# Altium PCB PCB1.PcbDoc (part 2 of 5)
Units mil, origin at the board's own origin, x right, y up, seen from the top; angles counter-clockwise.
Board outline 6250.19 x 5128.14 mil, 2 copper layers (Top Layer, Bottom Layer); 140 components, 0 nets, 729 pads, 141 vias.
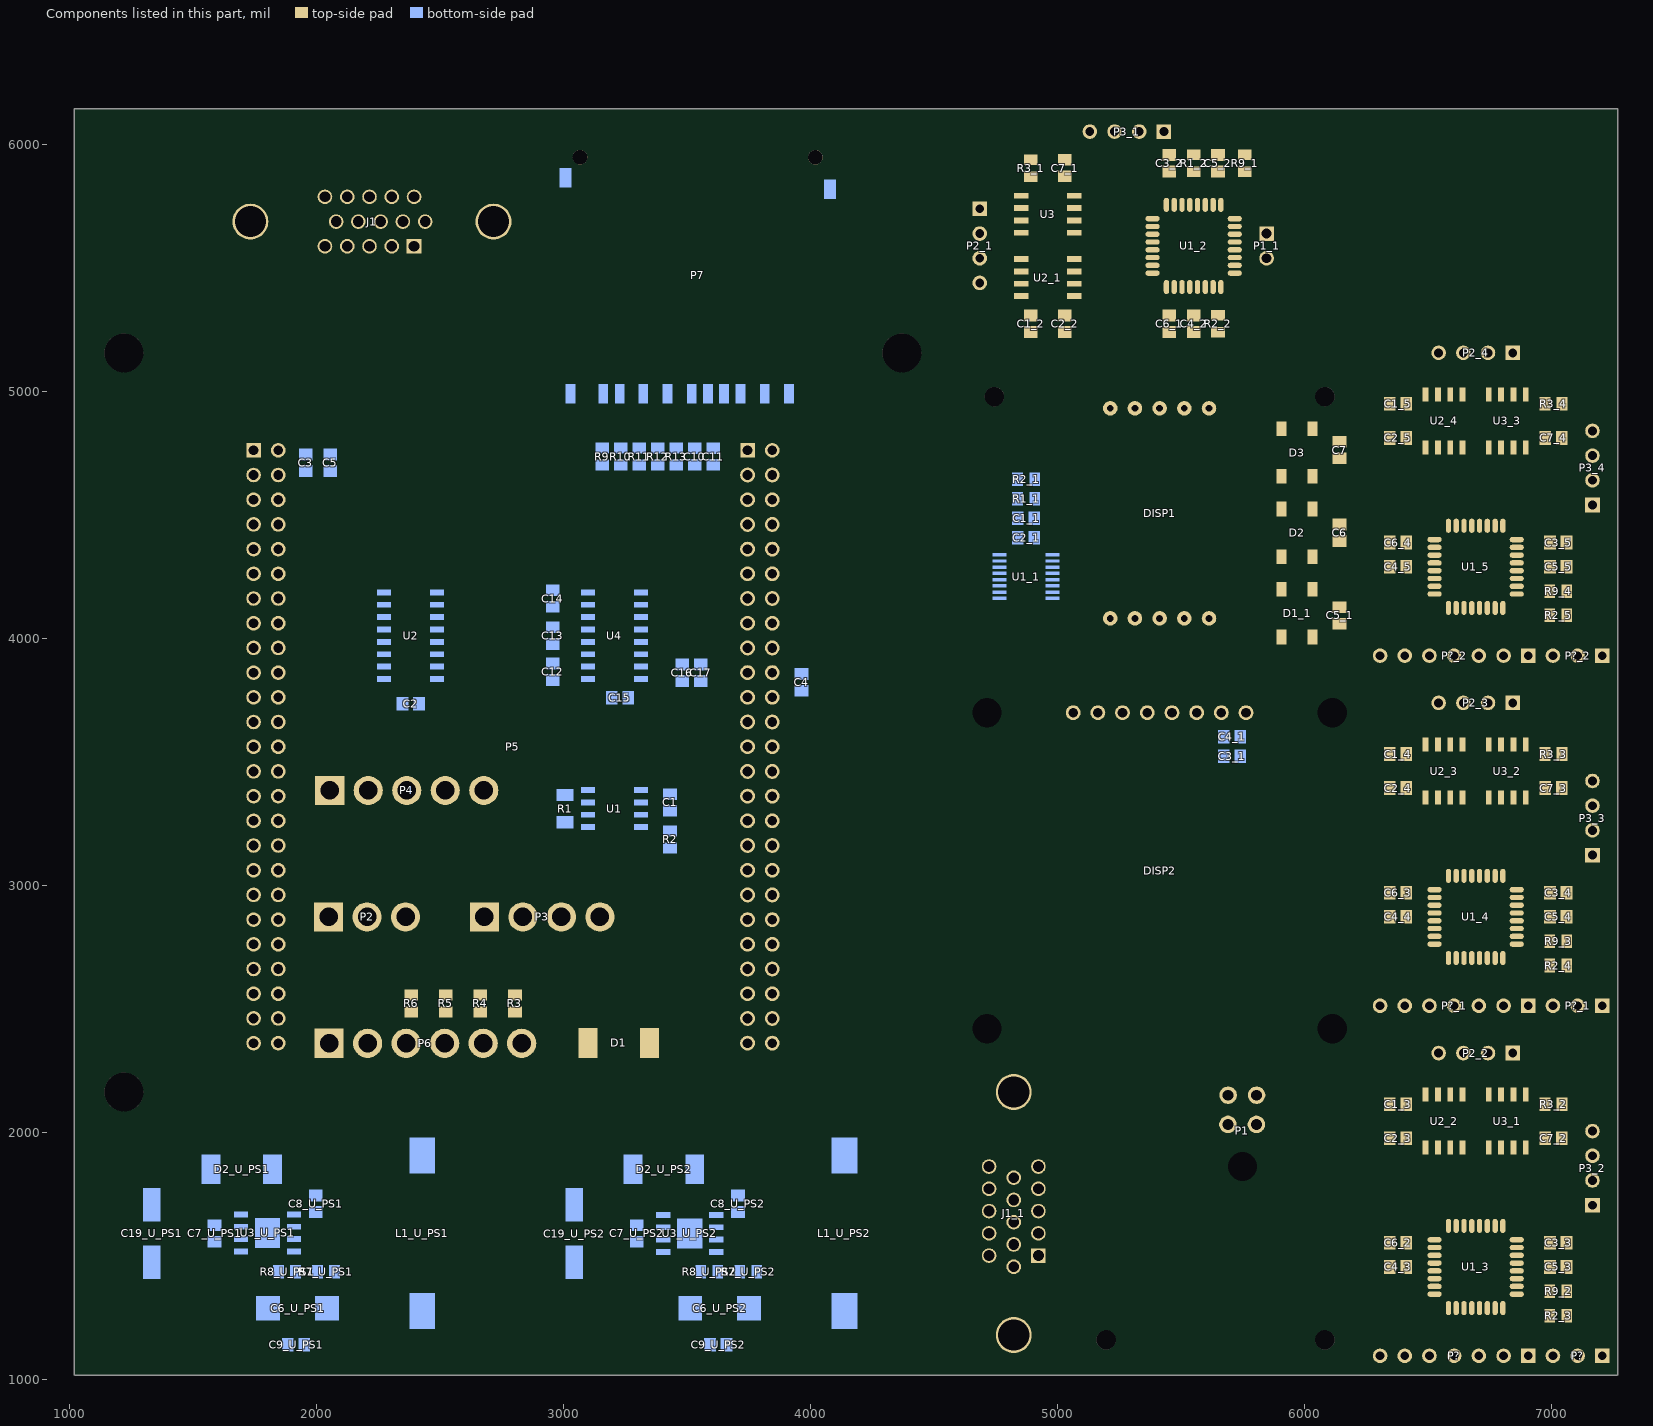
[diagram p2: the components of this part, seen from the top]

## Via types
v1: diameter 35.43/35.43 (per signal layer), hole 11.81, Top Layer to Bottom Layer, tented both sides, 115 vias
v2: diameter 47.24/47.24 (per signal layer), hole 19.68, Top Layer to Bottom Layer, tented both sides, 14 vias
v3: diameter 35.43, hole 11.81, Top Layer to Bottom Layer, tented both sides, 12 vias

## Nets (pads, with @x,y where several pads share a name; then routed paths per layer and width w, separated by ;. In a path a pad name is that pad's centre, name@x,y a point inside that pad or via, vN(x,y) a via of type N, cw(c..) or ccw(c..) an arc to the next point about the centre after c; other vN are vias at no path point) (continued)
copper on no net: (continued)
  Bottom Layer w1: 1169.35,3007.6 1169.35,3628.6 ; 1170.35,3007.6 1170.35,3628.6 ; 1171.35,3007.6 1171.35,3628.6 ; 1172.35,3007.6 1172.35,3628.6 ; 1173.35,3007.6 1173.35,3628.6 ; 1174.35,3007.6 1174.35,3628.6 ; 1175.35,3007.6 1175.35,3628.6 ; 1176.35,3007.6 1176.35,3628.6 ; 1177.35,3007.6 1177.35,3628.6 ; 1178.35,3007.6 1178.35,3628.6 ; 1179.35,3007.6 1179.35,3628.6 ; 1180.35,3007.6 1180.35,3628.6 ; 1181.35,3007.6 1181.35,3628.6 ; 1182.35,3007.6 1182.35,3628.6 ; 1183.35,3007.6 1183.35,3628.6 ; 1184.35,3007.6 1184.35,3628.6 ; 1185.35,3007.6 1185.35,3628.6 ; 1186.35,3007.6 1186.35,3628.6 ; 1187.35,3007.6 1187.35,3628.6 ; 1188.35,3007.6 1188.35,3628.6 ; 1189.35,3007.6 1189.35,3628.6 ; 1190.35,3007.6 1190.35,3628.6 ; 1191.35,3007.6 1191.35,3628.6 ; 1192.35,3007.6 1192.35,3628.6 ; 1193.35,3007.6 1193.35,3628.6 ; 1194.35,3007.6 1194.35,3628.6 ; 1195.35,3007.6 1195.35,3628.6 ; 1196.35,3007.6 1196.35,3628.6 ; 1197.35,3007.6 1197.35,3628.6 ; 1198.35,3007.6 1198.35,3628.6 ; 1199.35,3007.6 1199.35,3628.6 ; 1200.35,3007.6 1200.35,3628.6 ; 1201.35,3007.6 1201.35,3628.6 ; 1202.35,3007.6 1202.35,3628.6 ; 1203.35,3007.6 1203.35,3628.6 ; 1204.35,3007.6 1204.35,3628.6 ; 1205.35,3007.6 1205.35,3628.6 ; 1206.35,3007.6 1206.35,3628.6 ; 1207.35,3007.6 1207.35,3507.6 ; 1207.35,3516.6 1207.35,3628.6 ; 1208.35,3007.6 1208.35,3504.6 ; 1208.35,3517.6 1208.35,3628.6 ; 1209.35,3007.6 1209.35,3501.6 ; 1209.35,3518.6 1209.35,3628.6 ; 1210.35,3007.6 1210.35,3499.6 ; 1210.35,3518.6 1210.35,3628.6 ; 1211.35,3007.6 1211.35,3497.6 ; 1211.35,3519.6 1211.35,3628.6 ; 1212.35,3007.6 1212.35,3041.6 ; 1212.35,3044.6 1212.35,3063.6 ; 1212.35,3090.6 1212.35,3137.6 ; 1212.35,3139.6 1212.35,3157.6 ; 1212.35,3187.6 1212.35,3197.6 ; 1212.35,3199.6 1212.35,3209.6 ; 1212.35,3211.6 1212.35,3252.6 ; 1212.35,3267.6 1212.35,3272.6 ; 1212.35,3301.6 1212.35,3496.6 ; 1212.35,3519.6 1212.35,3628.6 ; 1213.35,3007.6 1213.35,3040.6 ; 1213.35,3045.6 1213.35,3060.6 ; 1213.35,3093.6 1213.35,3135.6 ; 1213.35,3141.6 1213.35,3154.6 ; 1213.35,3189.6 1213.35,3195.6 ; 1213.35,3201.6 1213.35,3207.6 ; 1213.35,3213.6 1213.35,3249.6 ; 1213.35,3267.6 1213.35,3270.6 ; 1213.35,3304.6 1213.35,3494.6 ; 1213.35,3510.6 1213.35,3512.6 ; 1213.35,3519.6 1213.35,3628.6 ; 1214.35,3007.6 1214.35,3039.6 ; 1214.35,3046.6 1214.35,3058.6 ; 1214.35,3095.6 1214.35,3134.6 ; 1214.35,3141.6 1214.35,3152.6 ; 1214.35,3190.6 1214.35,3194.6 ; 1214.35,3202.6 1214.35,3206.6 ; 1214.35,3214.6 1214.35,3247.6 ; 1214.35,3267.6 1214.35,3269.6 ; 1214.35,3306.6 1214.35,3493.6 ; 1214.35,3508.6 1214.35,3513.6 ; 1214.35,3519.6 1214.35,3628.6 ; 1215.35,3007.6 1215.35,3039.6 ; 1215.35,3047.6 1215.35,3057.6 ; 1215.35,3096.6 1215.35,3134.6 ; 1215.35,3141.6 1215.35,3150.6 ; 1215.35,3190.6 1215.35,3194.6 ; 1215.35,3202.6 1215.35,3206.6 ; 1215.35,3214.6 1215.35,3246.6 ; 1215.35,3267.6 1215.35,3269.6 ; 1215.35,3307.6 1215.35,3492.6 ; 1215.35,3506.6 1215.35,3513.6 ; 1215.35,3519.6 1215.35,3628.6 ; 1216.35,3007.6 1216.35,3039.6 ; 1216.35,3047.6 1216.35,3056.6 ; 1216.35,3098.6 1216.35,3134.6 ; 1216.35,3141.6 1216.35,3149.6 ; 1216.35,3190.6 1216.35,3194.6 ; 1216.35,3202.6 1216.35,3206.6 ; 1216.35,3214.6 1216.35,3245.6 ; 1216.35,3267.6 1216.35,3269.6 ; 1216.35,3308.6 1216.35,3490.6 ; 1216.35,3505.6 1216.35,3514.6 ; 1216.35,3519.6 1216.35,3628.6 ; 1217.35,3007.6 1217.35,3039.6 ; 1217.35,3047.6 1217.35,3055.6 ; 1217.35,3099.6 1217.35,3134.6 ; 1217.35,3141.6 1217.35,3148.6 ; 1217.35,3190.6 1217.35,3194.6 ; 1217.35,3202.6 1217.35,3206.6 ; 1217.35,3214.6 1217.35,3244.6 ; 1217.35,3267.6 1217.35,3270.6 ; 1217.35,3309.6 1217.35,3489.6 ; 1217.35,3503.6 1217.35,3514.6 ; 1217.35,3519.6 1217.35,3628.6 ; 1218.35,3007.6 1218.35,3039.6 ; 1218.35,3047.6 1218.35,3054.6 ; 1218.35,3100.6 1218.35,3134.6 ; 1218.35,3141.6 1218.35,3148.6 ; 1218.35,3189.6 1218.35,3194.6 ; 1218.35,3202.6 1218.35,3206.6 ; 1218.35,3214.6 1218.35,3243.6 ; 1218.35,3267.6 1218.35,3270.6 ; 1218.35,3310.6 1218.35,3487.6 ; 1218.35,3502.6 1218.35,3513.6 ; 1218.35,3518.6 1218.35,3628.6 ; 1219.35,3007.6 1219.35,3039.6 ; 1219.35,3047.6 1219.35,3053.6 ; 1219.35,3065.6 1219.35,3088.6 ; 1219.35,3101.6 1219.35,3134.6 ; 1219.35,3141.6 1219.35,3147.6 ; 1219.35,3161.6 1219.35,3194.6 ; 1219.35,3202.6 1219.35,3206.6 ; 1219.35,3214.6 1219.35,3242.6 ; 1219.35,3255.6 1219.35,3260.6 ; 1219.35,3267.6 1219.35,3297.6 ; 1219.35,3311.6 1219.35,3485.6 ; 1219.35,3500.6 1219.35,3513.6 ; 1219.35,3518.6 1219.35,3628.6 ; 1220.35,3007.6 1220.35,3039.6 ; 1220.35,3047.6 1220.35,3053.6 ; 1220.35,3062.6 1220.35,3091.6 ; 1220.35,3101.6 1220.35,3134.6 ; 1220.35,3141.6 1220.35,3147.6 ; 1220.35,3156.6 1220.35,3194.6 ; 1220.35,3202.6 1220.35,3206.6 ; 1220.35,3214.6 1220.35,3241.6 ; 1220.35,3252.6 1220.35,3260.6 ; 1220.35,3267.6 1220.35,3302.6 ; 1220.35,3311.6 1220.35,3483.6 ; 1220.35,3499.6 1220.35,3513.6 ; 1220.35,3517.6 1220.35,3628.6 ; 1221.35,3007.6 1221.35,3039.6 ; 1221.35,3047.6 1221.35,3053.6 ; 1221.35,3061.6 1221.35,3092.6 ; 1221.35,3102.6 1221.35,3134.6 ; 1221.35,3141.6 1221.35,3146.6 ; 1221.35,3155.6 1221.35,3194.6 ; 1221.35,3202.6 1221.35,3206.6 ; 1221.35,3214.6 1221.35,3240.6 ; 1221.35,3250.6 1221.35,3259.6 ; 1221.35,3267.6 1221.35,3303.6 ; 1221.35,3311.6 1221.35,3480.6 ; 1221.35,3498.6 1221.35,3513.6 ; 1221.35,3517.6 1221.35,3628.6 ; 1222.35,3007.6 1222.35,3039.6 ; 1222.35,3047.6 1222.35,3052.6 ; 1222.35,3060.6 1222.35,3093.6 ; 1222.35,3103.6 1222.35,3134.6 ; 1222.35,3141.6 1222.35,3146.6 ; 1222.35,3154.6 1222.35,3194.6 ; 1222.35,3202.6 1222.35,3206.6 ; 1222.35,3214.6 1222.35,3239.6 ; 1222.35,3249.6 1222.35,3259.6 ; 1222.35,3267.6 1222.35,3303.6 ; 1222.35,3312.6 1222.35,3477.6 ; 1222.35,3500.6 1222.35,3513.6 ; 1222.35,3516.6 1222.35,3628.6 ; 1223.35,3007.6 1223.35,3039.6 ; 1223.35,3047.6 1223.35,3052.6 ; 1223.35,3060.6 1223.35,3094.6 ; 1223.35,3104.6 1223.35,3134.6 ; 1223.35,3141.6 1223.35,3146.6 ; 1223.35,3154.6 1223.35,3194.6 ; 1223.35,3202.6 1223.35,3206.6 ; 1223.35,3214.6 1223.35,3239.6 ; 1223.35,3248.6 1223.35,3259.6 ; 1223.35,3267.6 1223.35,3304.6 ; 1223.35,3312.6 1223.35,3474.6 ; 1223.35,3503.6 1223.35,3513.6 ; 1223.35,3515.6 1223.35,3628.6 ; 1224.35,3007.6 1224.35,3039.6 ; 1224.35,3047.6 1224.35,3052.6 ; 1224.35,3060.6 1224.35,3095.6 ; 1224.35,3104.6 1224.35,3134.6 ; 1224.35,3141.6 1224.35,3146.6 ; 1224.35,3154.6 1224.35,3194.6 ; 1224.35,3202.6 1224.35,3206.6 ; 1224.35,3214.6 1224.35,3238.6 ; 1224.35,3247.6 1224.35,3259.6 ; 1224.35,3267.6 1224.35,3304.6 ; 1224.35,3312.6 1224.35,3471.6 ; 1224.35,3505.6 1224.35,3628.6 ; 1225.35,3007.6 1225.35,3039.6 ; 1225.35,3047.6 1225.35,3052.6 ; 1225.35,3060.6 1225.35,3096.6 ; 1225.35,3105.6 1225.35,3134.6 ; 1225.35,3141.6 1225.35,3146.6 ; 1225.35,3154.6 1225.35,3194.6 ; 1225.35,3202.6 1225.35,3206.6 ; 1225.35,3214.6 1225.35,3237.6 ; 1225.35,3246.6 1225.35,3259.6 ; 1225.35,3267.6 1225.35,3304.6 ; 1225.35,3312.6 1225.35,3469.6 ; 1225.35,3507.6 1225.35,3628.6 ; 1226.35,3007.6 1226.35,3039.6 ; 1226.35,3047.6 1226.35,3052.6 ; 1226.35,3060.6 1226.35,3096.6 ; 1226.35,3106.6 1226.35,3134.6 ; 1226.35,3141.6 1226.35,3146.6 ; 1226.35,3154.6 1226.35,3194.6 ; 1226.35,3202.6 1226.35,3206.6 ; 1226.35,3214.6 1226.35,3236.6 ; 1226.35,3246.6 1226.35,3259.6 ; 1226.35,3267.6 1226.35,3304.6 ; 1226.35,3312.6 1226.35,3468.6 ; 1226.35,3508.6 1226.35,3628.6 ; 1227.35,3007.6 1227.35,3039.6 ; 1227.35,3047.6 1227.35,3052.6 ; 1227.35,3061.6 1227.35,3097.6 ; 1227.35,3106.6 1227.35,3134.6 ; 1227.35,3141.6 1227.35,3146.6 ; 1227.35,3154.6 1227.35,3194.6 ; 1227.35,3202.6 1227.35,3206.6 ; 1227.35,3214.6 1227.35,3236.6 ; 1227.35,3245.6 1227.35,3259.6 ; 1227.35,3267.6 1227.35,3304.6 ; 1227.35,3312.6 1227.35,3467.6 ; 1227.35,3509.6 1227.35,3628.6 ; 1228.35,3007.6 1228.35,3039.6 ; 1228.35,3047.6 1228.35,3053.6 ; 1228.35,3063.6 1228.35,3098.6 ; 1228.35,3107.6 1228.35,3134.6 ; 1228.35,3141.6 1228.35,3146.6 ; 1228.35,3154.6 1228.35,3194.6 ; 1228.35,3202.6 1228.35,3206.6 ; 1228.35,3214.6 1228.35,3235.6 ; 1228.35,3244.6 1228.35,3259.6 ; 1228.35,3267.6 1228.35,3304.6 ; 1228.35,3312.6 1228.35,3467.6 ; 1228.35,3510.6 1228.35,3628.6 ; 1229.35,3007.6 1229.35,3039.6 ; 1229.35,3047.6 1229.35,3053.6 ; 1229.35,3076.6 1229.35,3098.6 ; 1229.35,3107.6 1229.35,3134.6 ; 1229.35,3141.6 1229.35,3146.6 ; 1229.35,3154.6 1229.35,3194.6 ; 1229.35,3202.6 1229.35,3206.6 ; 1229.35,3214.6 1229.35,3234.6 ; 1229.35,3244.6 1229.35,3259.6 ; 1229.35,3267.6 1229.35,3281.6 ; 1229.35,3312.6 1229.35,3466.6 ; 1229.35,3511.6 1229.35,3628.6 ; 1230.35,3007.6 1230.35,3039.6 ; 1230.35,3047.6 1230.35,3053.6 ; 1230.35,3080.6 1230.35,3099.6 ; 1230.35,3108.6 1230.35,3134.6 ; 1230.35,3141.6 1230.35,3146.6 ; 1230.35,3154.6 1230.35,3194.6 ; 1230.35,3202.6 1230.35,3206.6 ; 1230.35,3214.6 1230.35,3234.6 ; 1230.35,3243.6 1230.35,3259.6 ; 1230.35,3267.6 1230.35,3279.6 ; 1230.35,3312.6 1230.35,3346.6 ; 1230.35,3348.6 1230.35,3465.6 ; 1230.35,3512.6 1230.35,3628.6 ; 1231.35,3007.6 1231.35,3039.6 ; 1231.35,3047.6 1231.35,3054.6 ; 1231.35,3082.6 1231.35,3100.6 ; 1231.35,3109.6 1231.35,3134.6 ; 1231.35,3141.6 1231.35,3146.6 ; 1231.35,3154.6 1231.35,3194.6 ; 1231.35,3202.6 1231.35,3206.6 ; 1231.35,3214.6 1231.35,3233.6 ; 1231.35,3242.6 1231.35,3259.6 ; 1231.35,3267.6 1231.35,3279.6 ; 1231.35,3312.6 1231.35,3346.6 ; 1231.35,3349.6 1231.35,3465.6 ; 1231.35,3512.6 1231.35,3628.6 ; 1232.35,3007.6 1232.35,3039.6 ; 1232.35,3046.6 1232.35,3055.6 ; 1232.35,3084.6 1232.35,3100.6 ; 1232.35,3109.6 1232.35,3134.6 ; 1232.35,3141.6 1232.35,3146.6 ; 1232.35,3154.6 1232.35,3194.6 ; 1232.35,3202.6 1232.35,3206.6 ; 1232.35,3214.6 1232.35,3232.6 ; 1232.35,3242.6 1232.35,3259.6 ; 1232.35,3267.6 1232.35,3279.6 ; 1232.35,3312.6 1232.35,3346.6 ; 1232.35,3350.6 1232.35,3464.6 ; 1232.35,3513.6 1232.35,3628.6 ; 1233.35,3007.6 1233.35,3039.6 ; 1233.35,3046.6 1233.35,3056.6 ; 1233.35,3085.6 1233.35,3101.6 ; 1233.35,3110.6 1233.35,3134.6 ; 1233.35,3141.6 1233.35,3146.6 ; 1233.35,3154.6 1233.35,3194.6 ; 1233.35,3202.6 1233.35,3206.6 ; 1233.35,3214.6 1233.35,3232.6 ; 1233.35,3241.6 1233.35,3259.6 ; 1233.35,3267.6 1233.35,3279.6 ; 1233.35,3312.6 1233.35,3337.6 ; 1233.35,3339.6 1233.35,3346.6 ; 1233.35,3351.6 1233.35,3463.6 ; 1233.35,3513.6 1233.35,3628.6 ; 1234.35,3007.6 1234.35,3039.6 ; 1234.35,3046.6 1234.35,3058.6 ; 1234.35,3086.6 1234.35,3101.6 ; 1234.35,3110.6 1234.35,3134.6 ; 1234.35,3141.6 1234.35,3146.6 ; 1234.35,3154.6 1234.35,3194.6 ; 1234.35,3202.6 1234.35,3206.6 ; 1234.35,3214.6 1234.35,3231.6 ; 1234.35,3240.6 1234.35,3259.6 ; 1234.35,3267.6 1234.35,3279.6 ; 1234.35,3312.6 1234.35,3337.6 ; 1234.35,3341.6 1234.35,3346.6 ; 1234.35,3351.6 1234.35,3463.6 ; 1234.35,3493.6 1234.35,3506.6 ; 1234.35,3514.6 1234.35,3628.6 ; 1235.35,3007.6 1235.35,3039.6 ; 1235.35,3046.6 1235.35,3061.6 ; 1235.35,3086.6 1235.35,3102.6 ; 1235.35,3111.6 1235.35,3134.6 ; 1235.35,3141.6 1235.35,3146.6 ; 1235.35,3154.6 1235.35,3194.6 ; 1235.35,3202.6 1235.35,3206.6 ; 1235.35,3214.6 1235.35,3231.6 ; 1235.35,3240.6 1235.35,3259.6 ; 1235.35,3267.6 1235.35,3280.6 ; 1235.35,3312.6 1235.35,3338.6 ; 1235.35,3343.6 1235.35,3347.6 ; 1235.35,3352.6 1235.35,3462.6 ; 1235.35,3494.6 1235.35,3506.6 ; 1235.35,3514.6 1235.35,3628.6 ; 1236.35,3007.6 1236.35,3039.6 ; 1236.35,3046.6 1236.35,3069.6 ; 1236.35,3087.6 1236.35,3103.6 ; 1236.35,3112.6 1236.35,3134.6 ; 1236.35,3141.6 1236.35,3146.6 ; 1236.35,3154.6 1236.35,3194.6 ; 1236.35,3202.6 1236.35,3206.6 ; 1236.35,3214.6 1236.35,3230.6 ; 1236.35,3239.6 1236.35,3259.6 ; 1236.35,3267.6 1236.35,3282.6 ; 1236.35,3312.6 1236.35,3339.6 ; 1236.35,3344.6 1236.35,3347.6 ; 1236.35,3353.6 1236.35,3462.6 ; 1236.35,3482.6 1236.35,3485.6 ; 1236.35,3494.6 1236.35,3507.6 ; 1236.35,3514.6 1236.35,3628.6 ; 1237.35,3007.6 1237.35,3039.6 ; 1237.35,3046.6 1237.35,3077.6 ; 1237.35,3087.6 1237.35,3103.6 ; 1237.35,3112.6 1237.35,3134.6 ; 1237.35,3141.6 1237.35,3146.6 ; 1237.35,3154.6 1237.35,3194.6 ; 1237.35,3202.6 1237.35,3206.6 ; 1237.35,3214.6 1237.35,3229.6 ; 1237.35,3238.6 1237.35,3259.6 ; 1237.35,3267.6 1237.35,3339.6 ; 1237.35,3345.6 1237.35,3347.6 ; 1237.35,3353.6 1237.35,3461.6 ; 1237.35,3481.6 1237.35,3486.6 ; 1237.35,3494.6 1237.35,3507.6 ; 1237.35,3514.6 1237.35,3628.6 ; 1238.35,3007.6 1238.35,3039.6 ; 1238.35,3046.6 1238.35,3079.6 ; 1238.35,3088.6 1238.35,3104.6 ; 1238.35,3113.6 1238.35,3134.6 ; 1238.35,3141.6 1238.35,3146.6 ; 1238.35,3154.6 1238.35,3194.6 ; 1238.35,3202.6 1238.35,3206.6 ; 1238.35,3214.6 1238.35,3228.6 ; 1238.35,3238.6 1238.35,3259.6 ; 1238.35,3267.6 1238.35,3305.6 ; 1238.35,3310.6 1238.35,3339.6 ; 1238.35,3345.6 1238.35,3347.6 ; 1238.35,3354.6 1238.35,3461.6 ; 1238.35,3480.6 1238.35,3487.6 ; 1238.35,3495.6 1238.35,3508.6 ; 1238.35,3514.6 1238.35,3628.6 ; 1239.35,3007.6 1239.35,3039.6 ; 1239.35,3047.6 1239.35,3080.6 ; 1239.35,3088.6 1239.35,3104.6 ; 1239.35,3114.6 1239.35,3134.6 ; 1239.35,3141.6 1239.35,3146.6 ; 1239.35,3154.6 1239.35,3194.6 ; 1239.35,3202.6 1239.35,3206.6 ; 1239.35,3214.6 1239.35,3228.6 ; 1239.35,3237.6 1239.35,3259.6 ; 1239.35,3267.6 1239.35,3304.6 ; 1239.35,3311.6 1239.35,3340.6 ; 1239.35,3346.6 1239.35,3347.6 ; 1239.35,3354.6 1239.35,3460.6 ; 1239.35,3479.6 1239.35,3488.6 ; 1239.35,3495.6 1239.35,3508.6 ; 1239.35,3514.6 1239.35,3628.6 ; 1240.35,3007.6 1240.35,3039.6 ; 1240.35,3047.6 1240.35,3080.6 ; 1240.35,3088.6 1240.35,3105.6 ; 1240.35,3114.6 1240.35,3134.6 ; 1240.35,3141.6 1240.35,3146.6 ; 1240.35,3154.6 1240.35,3194.6 ; 1240.35,3202.6 1240.35,3206.6 ; 1240.35,3214.6 1240.35,3227.6 ; 1240.35,3236.6 1240.35,3260.6 ; 1240.35,3267.6 1240.35,3304.6 ; 1240.35,3312.6 1240.35,3340.6 ; 1240.35,3355.6 1240.35,3459.6 ; 1240.35,3478.6 1240.35,3488.6 ; 1240.35,3495.6 1240.35,3508.6 ; 1240.35,3514.6 1240.35,3628.6 ; 1241.35,3007.6 1241.35,3039.6 ; 1241.35,3047.6 1241.35,3080.6 ; 1241.35,3088.6 1241.35,3106.6 ; 1241.35,3115.6 1241.35,3134.6 ; 1241.35,3141.6 1241.35,3146.6 ; 1241.35,3154.6 1241.35,3194.6 ; 1241.35,3202.6 1241.35,3206.6 ; 1241.35,3214.6 1241.35,3226.6 ; 1241.35,3236.6 1241.35,3260.6 ; 1241.35,3267.6 1241.35,3304.6 ; 1241.35,3312.6 1241.35,3340.6 ; 1241.35,3347.6 1241.35,3348.6 ; 1241.35,3355.6 1241.35,3459.6 ; 1241.35,3477.6 1241.35,3489.6 ; 1241.35,3495.6 1241.35,3508.6 ; 1241.35,3513.6 1241.35,3628.6 ; 1242.35,3007.6 1242.35,3039.6 ; 1242.35,3047.6 1242.35,3080.6 ; 1242.35,3088.6 1242.35,3106.6 ; 1242.35,3116.6 1242.35,3134.6 ; 1242.35,3141.6 1242.35,3146.6 ; 1242.35,3154.6 1242.35,3194.6 ; 1242.35,3202.6 1242.35,3206.6 ; 1242.35,3214.6 1242.35,3225.6 ; 1242.35,3235.6 1242.35,3260.6 ; 1242.35,3268.6 1242.35,3304.6 ; 1242.35,3312.6 1242.35,3341.6 ; 1242.35,3356.6 1242.35,3458.6 ; 1242.35,3476.6 1242.35,3489.6 ; 1242.35,3495.6 1242.35,3507.6 ; 1242.35,3513.6 1242.35,3628.6 ; 1243.35,3007.6 1243.35,3039.6 ; 1243.35,3047.6 1243.35,3080.6 ; 1243.35,3088.6 1243.35,3107.6 ; 1243.35,3117.6 1243.35,3134.6 ; 1243.35,3141.6 1243.35,3146.6 ; 1243.35,3154.6 1243.35,3194.6 ; 1243.35,3202.6 1243.35,3206.6 ; 1243.35,3214.6 1243.35,3224.6 ; 1243.35,3234.6 1243.35,3260.6 ; 1243.35,3268.6 1243.35,3303.6 ; 1243.35,3312.6 1243.35,3341.6 ; 1243.35,3356.6 1243.35,3457.6 ; 1243.35,3476.6 1243.35,3489.6 ; 1243.35,3494.6 1243.35,3507.6 ; 1243.35,3513.6 1243.35,3628.6 ; 1244.35,3007.6 1244.35,3039.6 ; 1244.35,3048.6 1244.35,3079.6 ; 1244.35,3088.6 1244.35,3108.6 ; 1244.35,3118.6 1244.35,3134.6 ; 1244.35,3141.6 1244.35,3146.6 ; 1244.35,3155.6 1244.35,3194.6 ; 1244.35,3202.6 1244.35,3206.6 ; 1244.35,3214.6 1244.35,3223.6 ; 1244.35,3233.6 1244.35,3260.6 ; 1244.35,3269.6 1244.35,3303.6 ; 1244.35,3311.6 1244.35,3341.6 ; 1244.35,3357.6 1244.35,3456.6 ; 1244.35,3475.6 1244.35,3488.6 ; 1244.35,3494.6 1244.35,3506.6 ; 1244.35,3513.6 1244.35,3628.6 ; 1245.35,3007.6 1245.35,3040.6 ; 1245.35,3049.6 1245.35,3078.6 ; 1245.35,3087.6 1245.35,3109.6 ; 1245.35,3120.6 1245.35,3134.6 ; 1245.35,3141.6 1245.35,3147.6 ; 1245.35,3156.6 1245.35,3194.6 ; 1245.35,3202.6 1245.35,3206.6 ; 1245.35,3214.6 1245.35,3222.6 ; 1245.35,3233.6 1245.35,3260.6 ; 1245.35,3270.6 1245.35,3302.6 ; 1245.35,3311.6 1245.35,3341.6 ; 1245.35,3358.6 1245.35,3361.6 ; 1245.35,3363.6 1245.35,3455.6 ; 1245.35,3475.6 1245.35,3488.6 ; 1245.35,3494.6 1245.35,3506.6 ; 1245.35,3512.6 1245.35,3628.6 ; 1246.35,3007.6 1246.35,3040.6 ; 1246.35,3087.6 1246.35,3109.6 ; 1246.35,3141.6 1246.35,3147.6 ; 1246.35,3188.6 1246.35,3194.6 ; 1246.35,3202.6 1246.35,3206.6 ; 1246.35,3232.6 1246.35,3261.6 ; 1246.35,3310.6 1246.35,3341.6 ; 1246.35,3363.6 1246.35,3455.6 ; 1246.35,3475.6 1246.35,3487.6 ; 1246.35,3493.6 1246.35,3505.6 ; 1246.35,3511.6 1246.35,3628.6 ; 1247.35,3007.6 1247.35,3041.6 ; 1247.35,3086.6 1247.35,3110.6 ; 1247.35,3141.6 1247.35,3148.6 ; 1247.35,3189.6 1247.35,3194.6 ; 1247.35,3202.6 1247.35,3206.6 ; 1247.35,3231.6 1247.35,3262.6 ; 1247.35,3310.6 1247.35,3341.6 ; 1247.35,3363.6 1247.35,3454.6 ; 1247.35,3474.6 1247.35,3487.6 ; 1247.35,3492.6 1247.35,3504.6 ; 1247.35,3510.6 1247.35,3628.6 ; 1248.35,3007.6 1248.35,3041.6 ; 1248.35,3086.6 1248.35,3111.6 ; 1248.35,3141.6 1248.35,3148.6 ; 1248.35,3190.6 1248.35,3194.6 ; 1248.35,3202.6 1248.35,3206.6 ; 1248.35,3230.6 1248.35,3262.6 ; 1248.35,3309.6 1248.35,3341.6 ; 1248.35,3363.6 1248.35,3453.6 ; 1248.35,3474.6 1248.35,3486.6 ; 1248.35,3490.6 1248.35,3504.6 ; 1248.35,3507.6 1248.35,3628.6 ; 1249.35,3007.6 1249.35,3042.6 ; 1249.35,3085.6 1249.35,3112.6 ; 1249.35,3141.6 1249.35,3149.6 ; 1249.35,3190.6 1249.35,3194.6 ; 1249.35,3202.6 1249.35,3206.6 ; 1249.35,3229.6 1249.35,3263.6 ; 1249.35,3308.6 1249.35,3341.6 ; 1249.35,3364.6 1249.35,3452.6 ; 1249.35,3474.6 1249.35,3486.6 ; 1249.35,3488.6 1249.35,3628.6 ; 1250.35,3007.6 1250.35,3043.6 ; 1250.35,3084.6 1250.35,3114.6 ; 1250.35,3141.6 1250.35,3150.6 ; 1250.35,3190.6 1250.35,3194.6 ; 1250.35,3202.6 1250.35,3206.6 ; 1250.35,3228.6 1250.35,3264.6 ; 1250.35,3307.6 1250.35,3341.6 ; 1250.35,3364.6 1250.35,3451.6 ; 1250.35,3474.6 1250.35,3628.6 ; 1251.35,3007.6 1251.35,3045.6 ; 1251.35,3082.6 1251.35,3115.6 ; 1251.35,3141.6 1251.35,3152.6 ; 1251.35,3190.6 1251.35,3194.6 ; 1251.35,3202.6 1251.35,3206.6 ; 1251.35,3226.6 1251.35,3266.6 ; 1251.35,3306.6 1251.35,3341.6 ; 1251.35,3364.6 1251.35,3450.6 ; 1251.35,3473.6 1251.35,3628.6 ; 1252.35,3007.6 1252.35,3047.6 ; 1252.35,3080.6 1252.35,3117.6 ; 1252.35,3141.6 1252.35,3154.6 ; 1252.35,3188.6 1252.35,3195.6 ; 1252.35,3201.6 1252.35,3206.6 ; 1252.35,3225.6 1252.35,3268.6 ; 1252.35,3304.6 1252.35,3340.6 ; 1252.35,3365.6 1252.35,3449.6 ; 1252.35,3473.6 1252.35,3628.6 ; 1253.35,3007.6 1253.35,3340.6 ; 1253.35,3365.6 1253.35,3448.6 ; 1253.35,3473.6 1253.35,3628.6 ; 1254.35,3007.6 1254.35,3339.6 ; 1254.35,3366.6 1254.35,3447.6 ; 1254.35,3473.6 1254.35,3628.6 ; 1255.35,3007.6 1255.35,3337.6 ; 1255.35,3367.6 1255.35,3446.6 ; 1255.35,3473.6 1255.35,3628.6 ; 1256.35,3007.6 1256.35,3336.6 ; 1256.35,3367.6 1256.35,3445.6 ; 1256.35,3472.6 1256.35,3628.6 ; 1257.35,3007.6 1257.35,3334.6 ; 1257.35,3368.6 1257.35,3444.6 ; 1257.35,3472.6 1257.35,3628.6 ; 1258.35,3007.6 1258.35,3334.6 ; 1258.35,3369.6 1258.35,3443.6 ; 1258.35,3472.6 1258.35,3628.6 ; 1259.35,3007.6 1259.35,3336.6 ; 1259.35,3370.6 1259.35,3442.6 ; 1259.35,3471.6 1259.35,3628.6 ; 1260.35,3007.6 1260.35,3336.6 ; 1260.35,3370.6 1260.35,3442.6 ; 1260.35,3471.6 1260.35,3628.6 ; 1261.35,3007.6 1261.35,3335.6 ; 1261.35,3371.6 1261.35,3441.6 ; 1261.35,3471.6 1261.35,3628.6 ; 1262.35,3007.6 1262.35,3335.6 ; 1262.35,3372.6 1262.35,3441.6 ; 1262.35,3470.6 1262.35,3628.6 ; 1263.35,3007.6 1263.35,3335.6 ; 1263.35,3373.6 1263.35,3440.6 ; 1263.35,3470.6 1263.35,3628.6 ; 1264.35,3007.6 1264.35,3037.6 ; 1264.35,3109.6 1264.35,3112.6 ; 1264.35,3203.6 1264.35,3231.6 ; 1264.35,3254.6 1264.35,3291.6 ; 1264.35,3314.6 1264.35,3335.6 ; 1264.35,3374.6 1264.35,3439.6 ; 1264.35,3469.6 1264.35,3628.6 ; 1265.35,3007.6 1265.35,3037.6 ; 1265.35,3109.6 1265.35,3112.6 ; 1265.35,3207.6 1265.35,3231.6 ; 1265.35,3254.6 1265.35,3291.6 ; 1265.35,3314.6 1265.35,3335.6 ; 1265.35,3376.6 1265.35,3438.6 ; 1265.35,3469.6 1265.35,3628.6 ; 1266.35,3007.6 1266.35,3037.6 ; 1266.35,3109.6 1266.35,3112.6 ; 1266.35,3209.6 1266.35,3231.6 ; 1266.35,3254.6 1266.35,3291.6 ; 1266.35,3314.6 1266.35,3335.6 ; 1266.35,3377.6 1266.35,3437.6 ; 1266.35,3468.6 1266.35,3628.6 ; 1267.35,3007.6 1267.35,3038.6 ; 1267.35,3109.6 